# Altium PCB board_layout.pcbdoc (part 1 of 4) (continued)
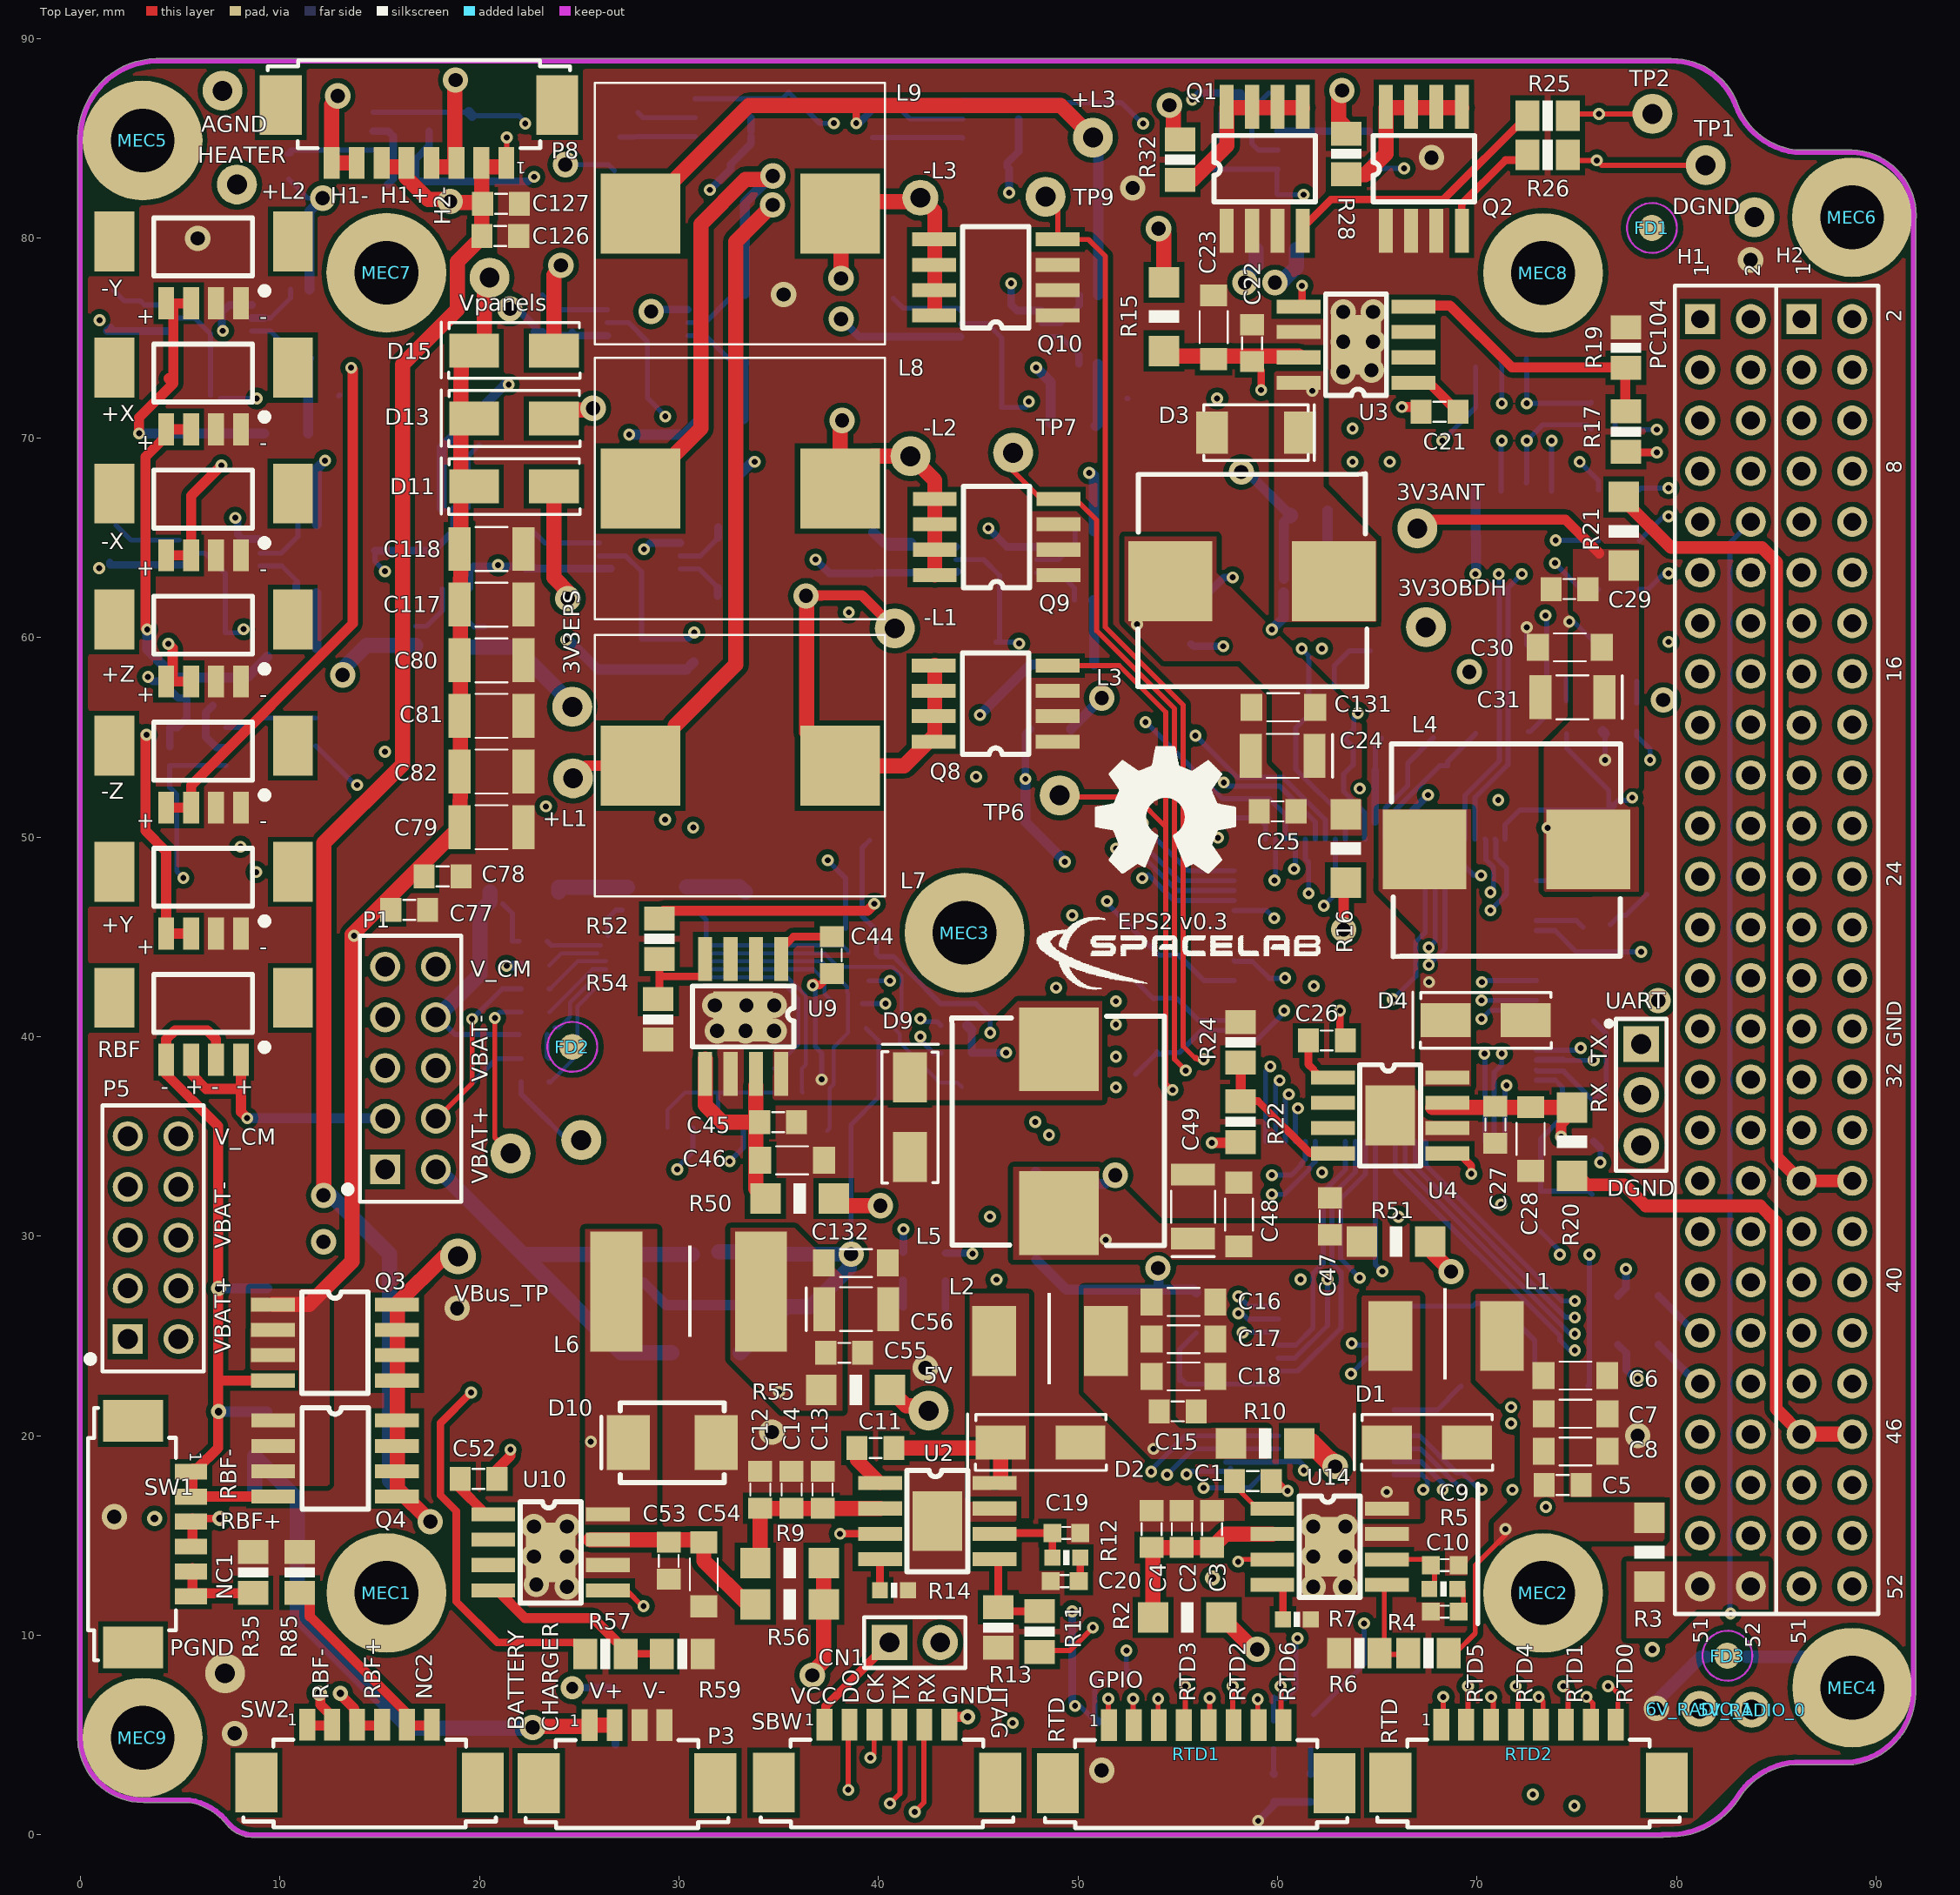
[diagram p0: Top Layer view]
## Part data (continued)
C3 C4 C13 C14 C102 C103 C104 C105 C106 C107 C130: library part Cap_Cer_X7R_4.7uF_25V_0805, "CAP CER 4.7uF 25V 10% X7R 0805", Capacitance=4.7uF, Case Code (Imperial)=0805, Case Code (Metric)=2012, Dielectric=X7R, Manufacturer=Yageo, Manufacturer Part Number=CC0805KKX7R8BB475, Max Operating Temperature=125°C, Min Operating Temperature=-55°C, Package Quantity=3000, Supplier Part Number 1=603-CC805KKX7R8BB475, Tolerance=10%, Voltage Rating=25V, Case/Package=0805, ComponentLink1Description=http://www.mouser.com/ds/2/447/Yageo_UPY-GP_NP0_16V-to-50V_9-358835.pdf?src-supplier=Mouser, ComponentLink1URL=http://www.mouser.com/ds/2/447/Yageo_UPY-GP_NP0_16V-to-50V_9-358835.pdf?src-supplier=Mouser, ComponentLink2Description=http://www.yageo.com/documents/recent/UPY-GPHC_X7R_6.3V-to-50V_18.pdf?src-supplier=Digi-Key, ComponentLink2URL=http://www.yageo.com/documents/recent/UPY-GPHC_X7R_6.3V-to-50V_18.pdf?src-supplier=Digi-Key, Halogen Free="Halogen Free", Lead Free="Lead Free", Length=0.079inch, Mount="Surface Mount", NCM=8532.24.10, Packaging="Tape and Reel", Partnumber=CC0805KKX7R8BB475, Pricing 1="1=0.43, 10=0.25, 100=0.139, 1000=0.126, 3000=0.089, 9000=0.086 (USD)", Pricing 2="1=0.47, 10=0.327, 50=0.2288, 100=0.1962, 500=0.14714, 1000=0.12425 (USD)", Stock 1=121, Stock 2=672, Supplier 1=Mouser, Supplier 2=Digi-Key, Supplier Part Number 2=311-1885-1-ND, Termination=SMD/SMT, Thickness=0.057inch, Voltage Rating (DC)=25V, Weight=0.000194oz, Width=0.049inch
C6 C7 C8 C16 C17 C18 C30 C48 C131 C132: library part Cap_Cer_X7R_22uF_10V_1206, "CAP CER 22uF 10V 10% X7R 1206", Capacitance=22uF, Case Code (Imperial)=1206, Case Code (Metric)=3216, Dielectric=X7R, Manufacturer=Murata, Manufacturer Part Number=GRM31CR71A226KE15L, Max Operating Temperature=125°C, Min Operating Temperature=-55°C, Package Quantity=1, Supplier Part Number 1=81-GRM31CR71A226K15L, Tolerance=10%, Voltage=10V, Case/Package=1206, ComponentLink1Description=http://components.arrow.com/part/dataview/46868660S8337524N2606?src-supplier=Arrow, ComponentLink1URL=http://components.arrow.com/part/dataview/46868660S8337524N2606?src-supplier=Arrow, ComponentLink2Description=http://uk.rs-online.com/webdocs/1423/0900766b81423c84.pdf?src-supplier=RSComponents, ComponentLink2URL=http://uk.rs-online.com/webdocs/1423/0900766b81423c84.pdf?src-supplier=RSComponents, ComponentLink3Description=https://www.murata.com/~/media/webrenewal/support/library/catalog/products/capacitor/mlcc/c02e.ashx?la=en-us&src-supplier=Digi-Key, ComponentLink3URL=https://www.murata.com/~/media/webrenewal/support/library/catalog/products/capacitor/mlcc/c02e.ashx?la=en-us&src-supplier=Digi-Key, ComponentLink4Description=http://www.farnell.com/datasheets/2048963.pdf?src-supplier=Farnell, ComponentLink4URL=http://www.farnell.com/datasheets/2048963.pdf?src-supplier=Farnell, ComponentLink5Description=http://www.farnell.com/datasheets/2048963.pdf?src-supplier=Element14, ComponentLink5URL=http://www.farnell.com/datasheets/2048963.pdf?src-supplier=Element14, ComponentLink6Description=http://psearch.en.murata.com/capacitor/product/GRM31CR71A226KE15%23.pdf?src-supplier=Avnet, ComponentLink6URL=http://psearch.en.murata.com/capacitor/product/GRM31CR71A226KE15%23.pdf?src-supplier=Avnet, ComponentLink7Description=http://psearch.murata.com/capacitor/product/GRM31CR71A226KE15%23.pdf?src-supplier=Avnet, ComponentLink7URL=http://psearch.murata.com/capacitor/product/GRM31CR71A226KE15%23.pdf?src-supplier=Avnet, ComponentLink8Description=https://www.distrelec.biz/Web/Downloads/_t/ds/murata_MLCC_eng_tds.pdf?mime=application%2Fpdf&src-supplier=Distrelec, ComponentLink8URL=https://www.distrelec.biz/Web/Downloads/_t/ds/murata_MLCC_eng_tds.pdf?mime=application%2Fpdf&src-supplier=Distrelec, ComponentLink9Description=http://psearch.murata.com/capacitor/product/GRM31CR71A226KE15%23.pdf?src-supplier=Future+Electronics, ComponentLink9URL=http://psearch.murata.com/capacitor/product/GRM31CR71A226KE15%23.pdf?src-supplier=Future+Electronics, ComponentLink10Description=http://www.produktinfo.conrad.com/datenblaetter/450000-474999/451412-da-01-de-VS_KONDENS_GRM31_CR71A_226KE15L.pdf?src-supplier=Conrad, ComponentLink10URL=http://www.produktinfo.conrad.com/datenblaetter/450000-474999/451412-da-01-de-VS_KONDENS_GRM31_CR71A_226KE15L.pdf?src-supplier=Conrad, ComponentLink11Description=http://www.produktinfo.conrad.com/datenblaetter/450000-474999/451120-da-01-de-VS_CHIP_KOND_1206_22_0_UF_10Pr_10_0V_X7R.pdf?src-supplier=Conrad, ComponentLink11URL=http://www.produktinfo.conrad.com/datenblaetter/450000-474999/451120-da-01-de-VS_CHIP_KOND_1206_22_0_UF_10Pr_10_0V_X7R.pdf?src-supplier=Conrad, Depth=1.6mm, Height=1.6mm, Lead Free="Lead Free", Length=3.2mm, Material=Ceramic, Mount="Surface Mount", NCM=8532.24.10, Packaging="Tape and Reel", Partnumber=GRM31CR71A226KE15L, Pricing 1="1=1.11, 10=0.921, 100=0.697, 250=0.677, 500=0.527, 1000=0.464 (USD)", Pricing 2="1=1.13, 10=0.889, 50=0.7702, 100=0.6666, 500=0.50362, 1000=0.44438 (USD)", Radiation Hardening=No, REACH SVHC="No SVHC", Stock 1=113879, Stock 2=339340, Supplier 1=Mouser, Supplier 2=Digi-Key, Supplier Part Number 2=490-5309-1-ND, Termination=SMD/SMT, Thickness=0.071inch, Voltage Rating=10V, Voltage Rating (DC)=10V, Width=0.063inch
C9 C19: library part Cap_Cer_C0G_13pF_50V_0603, "CAP CER 13PF 50V 0603 NP0", Capacitance=13pF, Case Code (Imperial)=0603, Case Code (Metric)=1608, Dielectric=C0G, Dielectric Material=Ceramic, Manufacturer=KEMET, Manufacturer Part Number=C0603C130J5GACTU, Max Operating Temperature=125°C, Min Operating Temperature=-55°C, Package Quantity=4000, Partnumber=C0603C130J5GAC7867, Supplier Part Number 1=80-C0603C130J5G, Tolerance=5%, Voltage Rating=50V, Case/Package=0603, ComponentLink1Description=http://www.farnell.com/datasheets/2740893.pdf?src-supplier=Element14, ComponentLink1URL=http://www.farnell.com/datasheets/2740893.pdf?src-supplier=Element14, ComponentLink2Description=http://www.mouser.com/ds/2/212/KEM_C1003_C0G_SMD-1101588.pdf?src-supplier=Mouser, ComponentLink2URL=http://www.mouser.com/ds/2/212/KEM_C1003_C0G_SMD-1101588.pdf?src-supplier=Mouser, Depth=0.8mm, Dissipation Factor=0.1%, Height=0.8mm, Lead Free="Lead Free", Lead Pitch=0.7mm, Length=1.6mm, Mount="Surface Mount", NCM=8532.24.10, Number of Pins=2, Packaging="Tape and Reel", Pricing 1="1=0.2, 10=0.081, 100=0.056, 500=0.044, 1000=0.038, 4000=0.031 (USD)", Pricing 2="1=0.2, 10=0.134, 100=0.0678, 500=0.04638, 1000=0.04104 (USD)", Radiation Hardening=No, REACH SVHC="No SVHC", Stock 1=7365, Stock 2=14291, Supplier 1=Mouser, Supplier 2=Digi-Key, Supplier Part Number 2=399-15362-1-ND, Termination=SMD/SMT, Thickness=0.034inch, Voltage Rating (DC)=50V, Width=0.031inch
C10 C20: library part Cap_Cer_C0G_5.6nF_100V_0603, "CAP CER 5.6nF 100V 0603", Manufacturer=TDK, Manufacturer Part Number=C1608C0G2A562J080AE, Supplier Part Number 1=810-C1608C0G2A562J08, ComponentLink1Description=https://product.tdk.com/info/en/catalog/datasheets/mlcc_commercial_soft_en.pdf?src-supplier=Digi-Key, ComponentLink1URL=https://product.tdk.com/info/en/catalog/datasheets/mlcc_commercial_soft_en.pdf?src-supplier=Digi-Key, NCM=8532.24.10, Partnumber=C1608C0G2A562J080AE, Pricing 1="1=0.3, 10=0.142, 100=0.095, 500=0.084, 1000=0.078, 4000=0.056 (USD)", Pricing 2="1=0.32, 10=0.218, 50=0.1456, 100=0.1237, 500=0.08732, 1000=0.0764 (USD)", Stock 1=5883, Stock 2=7070, Supplier 1=Mouser, Supplier 2=Digi-Key, Supplier Part Number 2=445-180278-1-ND
C21 C26 C32 C34 C44 C52: library part Cap_Cer_X7R_0.01uF_50V_0805, "CAP CER 0.01uF 50V 10% X7R 0805", Capacitance=10nF, Case Code (Imperial)=0805, Case Code (Metric)=2012, Dielectric=X7R, Manufacturer="Kyocera AVX", Manufacturer Part Number=08055C103KAT4A, Max Operating Temperature=125°C, Min Operating Temperature=-55°C, Supplier Part Number 1=581-08055C103KAT4A, Tolerance=10%, Voltage=50V, Case/Package=0805, ComponentLink1Description=http://www.mouser.com/ds/2/40/X7RDielectric-777024.pdf?src-supplier=Mouser, ComponentLink1URL=http://www.mouser.com/ds/2/40/X7RDielectric-777024.pdf?src-supplier=Mouser, ComponentLink2Description=http://www.avx.com/docs/Catalogs/cx7r.pdf?src-supplier=Future+Electronics, ComponentLink2URL=http://www.avx.com/docs/Catalogs/cx7r.pdf?src-supplier=Future+Electronics, Depth=1.25mm, Height=0.94mm, Lead Free="Lead Free", Length=2.01mm, Mount="Surface Mount", NCM=8532.24.10, Number of Pins=2, Packaging="Tape and Reel", Partnumber=08055C103KAT4A, Pricing 1="1=0.12, 10=0.085, 100=0.04, 500=0.028, 1000=0.023, 2500=0.018 (USD)", Pricing 2="1=0.13, 10=0.09, 50=0.0508, 100=0.0421, 500=0.02952, 1000=0.02444, 2500=0.02275, 5000=0.02081 (USD)", Radiation Hardening=No, Stock 1=88198, Stock 2=515319, Supplier 1=Mouser, Supplier 2=Digi-Key, Supplier Part Number 2=478-10687-1-ND, Termination=SMD/SMT, Voltage Rating=50V, Voltage Rating (DC)=50V, Weight=0.000194oz, Width=1.25mm
C23 C28 C46 C54: library part Cap_Cer_X7R_10uF_25V_1206, "CAP CER 10uF 25V 10% X7R 1206", Capacitance=10uF, Case Code (Imperial)=1206, Case Code (Metric)=3216, Dielectric=X7R, Manufacturer=Murata, Manufacturer Part Number=GRM31CR71E106KA12L, Max Operating Temperature=125°C, Min Operating Temperature=-55°C, Package Quantity=1, Supplier Part Number 1=81-GRM31CR71E106KA12, Tolerance=10%, Voltage=25V, Case/Package=1206, ComponentLink1Description=http://www.mouser.com/ds/2/281/c02e-2905.pdf?src-supplier=Mouser, ComponentLink1URL=http://www.mouser.com/ds/2/281/c02e-2905.pdf?src-supplier=Mouser, ComponentLink2Description=http://www.farnell.com/datasheets/415311.pdf?src-supplier=Element14, ComponentLink2URL=http://www.farnell.com/datasheets/415311.pdf?src-supplier=Element14, ComponentLink3Description=http://www.farnell.com/datasheets/2048746.pdf?src-supplier=Element14, ComponentLink3URL=http://www.farnell.com/datasheets/2048746.pdf?src-supplier=Element14, ComponentLink4Description=http://uk.rs-online.com/webdocs/13d2/0900766b813d2ca8.pdf?src-supplier=RSComponents, ComponentLink4URL=http://uk.rs-online.com/webdocs/13d2/0900766b813d2ca8.pdf?src-supplier=RSComponents, ComponentLink5Description=http://search.murata.co.jp/Ceramy/image/img/A01X/partnumbering_e_01.pdf?src-supplier=Future+Electronics, ComponentLink5URL=http://search.murata.co.jp/Ceramy/image/img/A01X/partnumbering_e_01.pdf?src-supplier=Future+Electronics, ComponentLink6Description=https://www.distrelec.biz/Web/Downloads/_t/ds/murata_MLCC_eng_tds.pdf?mime=application%2Fpdf&src-supplier=Distrelec, ComponentLink6URL=https://www.distrelec.biz/Web/Downloads/_t/ds/murata_MLCC_eng_tds.pdf?mime=application%2Fpdf&src-supplier=Distrelec, ComponentLink7Description=https://www.murata.com/~/media/webrenewal/support/library/catalog/products/capacitor/mlcc/c02e.ashx?la=en-us&src-supplier=Digi-Key, ComponentLink7URL=https://www.murata.com/~/media/webrenewal/support/library/catalog/products/capacitor/mlcc/c02e.ashx?la=en-us&src-supplier=Digi-Key, ComponentLink8Description=http://components.arrow.com/part/dataview/46271255S8319800N2606?src-supplier=Arrow, ComponentLink8URL=http://components.arrow.com/part/dataview/46271255S8319800N2606?src-supplier=Arrow, ComponentLink9Description=http://www.farnell.com/datasheets/415311.pdf?src-supplier=Farnell, ComponentLink9URL=http://www.farnell.com/datasheets/415311.pdf?src-supplier=Farnell, ComponentLink10Description=http://www.produktinfo.conrad.com/datenblaetter/450000-474999/454935-da-01-en-VS_KONDENSATOR_1206.pdf?src-supplier=Conrad, ComponentLink10URL=http://www.produktinfo.conrad.com/datenblaetter/450000-474999/454935-da-01-en-VS_KONDENSATOR_1206.pdf?src-supplier=Conrad, ComponentLink11Description=http://www.produktinfo.conrad.com/datenblaetter/450000-474999/451104-da-01-de-VS_CHIP_KOND_1206_10_0_UF_10Pr_25_0V_X7R.pdf?src-supplier=Conrad, ComponentLink11URL=http://www.produktinfo.conrad.com/datenblaetter/450000-474999/451104-da-01-de-VS_CHIP_KOND_1206_10_0_UF_10Pr_25_0V_X7R.pdf?src-supplier=Conrad, Depth=1.6mm, Height=1.6mm, Lead Free="Lead Free", Length=3.2mm, Material=Ceramic, Mount="Surface Mount", NCM=8532.24.10, Number of Pins=2, Packaging="Tape and Reel", Partnumber=GRM31CR71E106KA12L, Pricing 1="1=0.83, 10=0.627, 100=0.448, 250=0.434, 500=0.347, 1000=0.299 (USD)", Pricing 2="1=0.88, 10=0.646, 50=0.517, 100=0.4431, 500=0.35082, 1000=0.29543 (USD)", Radiation Hardening=No, REACH SVHC="No SVHC", Stock 1=131052, Stock 2=1515422, Supplier 1=Mouser, Supplier 2=Digi-Key, Supplier Part Number 2=490-6518-1-ND, Termination=SMD/SMT, Thickness=0.071inch, Voltage Rating=25V, Voltage Rating (DC)=25V, Width=1.6mm
C24 C31 C49 C56: library part Cap_Tant_SMD_220uF_6.3V_1210, "CAP Tantalum 220uF 6.3V 20% 1210", Capacitance=220uF, Case Code (Imperial)=1411, Case Code (Metric)=3528, Case/Package=Molded, ESR (Equivalent Series Resistance)=35mR, Leakage Current=138.6uA, Manufacturer=Panasonic, Manufacturer Part Number=6TPE220MAZB, Max Operating Temperature=105°C, Min Operating Temperature=-55°C, Package Quantity=2000, Ripple Current=1.4A, Supplier Part Number 1=667-6TPE220MAZB, Tolerance=20%, Voltage=6.3V, ComponentLink1Description=http://www.farnell.com/datasheets/2059638.pdf?src-supplier=Element14, ComponentLink1URL=http://www.farnell.com/datasheets/2059638.pdf?src-supplier=Element14, ComponentLink2Description=https://www.verical.com/server-webapp/html/getDatasheet?partID=733772&src-supplier=Verical, ComponentLink2URL=https://www.verical.com/server-webapp/html/getDatasheet?partID=733772&src-supplier=Verical, ComponentLink3Description=https://www.distrelec.biz/Web/Downloads/_t/ds/tpe-series_eng_tds.pdf?mime=application%2Fpdf&src-supplier=Distrelec, ComponentLink3URL=https://www.distrelec.biz/Web/Downloads/_t/ds/tpe-series_eng_tds.pdf?mime=application%2Fpdf&src-supplier=Distrelec, ComponentLink4Description=http://industrial.panasonic.com/www-data/pdf/AAA8000/AAA8000CE5.pdf?src-supplier=Avnet, ComponentLink4URL=http://industrial.panasonic.com/www-data/pdf/AAA8000/AAA8000CE5.pdf?src-supplier=Avnet, ComponentLink5Description=http://www.mouser.com/ds/2/315/AAA8000C36-947358.pdf?src-supplier=Mouser, ComponentLink5URL=http://www.mouser.com/ds/2/315/AAA8000C36-947358.pdf?src-supplier=Mouser, Depth=2.8mm, Dissipation Factor=10%, Features="General Purpose", Height=1.9mm, Height - Seated (Max)=0.079inch, Lead Free="Lead Free", Length=3.5mm, Mount="Surface Mount", NCM=8532.21.11, Number of Pins=2, Packaging="Tape and Reel", Partnumber=6TPE220MAZB, Polarity=Polar, Pricing 1="1=1.63, 10=1.28, 100=0.964, 500=0.728, 1000=0.642, 2000=0.521 (USD)", Pricing 2="1=1.56, 10=1.23, 50=1.0656, 100=0.9222, 500=0.69676, 1000=0.61479 (USD)", Radiation Hardening=No, REACH SVHC="No SVHC", Stock 1=11237, Stock 2=59078, Supplier 1=Mouser, Supplier 2=Digi-Key, Supplier Part Number 2=P16245CT-ND, Termination=SMD/SMT, Voltage Rating=6.3V, Voltage Rating (DC)=6.3V, Width=0.11inch
C33 C35 C60 C61 C64 C123 C125: library part Cap_Tant_SMD_10uF_6V3_0805, "CAP Tantalum 10uF 6.3V 10% 0805", Capacitance=10uF, Case Code (Imperial)=0805, Case Code (Metric)=2012, Dielectric Material=Tantalum, ESR (Equivalent Series Resistance)=1R, Manufacturer="Kyocera AVX", Manufacturer Part Number=TPSR106K006R1000, Max Operating Temperature=125°C, Min Operating Temperature=-55°C, Package Quantity=1, Supplier Part Number 1=581-TPSR106K006R1000, Tolerance=10%, Voltage Rating=6.3V, Case/Package=0805, ComponentLink1Description=http://www.avx.com/docs/Catalogs/packmark.pdf?src-supplier=Element14, ComponentLink1URL=http://www.avx.com/docs/Catalogs/packmark.pdf?src-supplier=Element14, ComponentLink2Description=http://www.farnell.com/datasheets/1441576.pdf?src-supplier=Element14, ComponentLink2URL=http://www.farnell.com/datasheets/1441576.pdf?src-supplier=Element14, ComponentLink3Description=http://datasheets.avx.com/TPS.pdf?src-supplier=Digi-Key, ComponentLink3URL=http://datasheets.avx.com/TPS.pdf?src-supplier=Digi-Key, Depth=1.3mm, Dissipation Factor=8%, Features="General Purpose", Height=1.2mm, Height - Seated (Max)=0.047inch, Lead Free="Lead Free", Length=2.05mm, Mount="Surface Mount", NCM=8532.21.11, Packaging="Tape and Reel", Partnumber=TPSR106K006R1000, Polarity=Polar, Pricing 1="1=0.76, 10=0.561, 100=0.384, 500=0.304, 1000=0.256, 2500=0.237 (USD)", Pricing 2="1=0.73, 10=0.536, 50=0.429, 100=0.3678, 500=0.29114, 1000=0.24517 (USD)", Radiation Hardening=No, REACH SVHC="No SVHC", Stock 1=0, Stock 2=0, Supplier 1=Mouser, Supplier 2=Digi-Key, Supplier Part Number 2=478-9265-1-ND, Termination=SMD/SMT, Width=0.051inch
C36 C50 C51 C79 C80 C81 C82 C117 C118: library part Cap_Cer_X7R_22uF_25V_1210, "CAP CER 22uF 25V 10% X7R 1210", Capacitance=22uF, Case Code (Imperial)=1210, Case Code (Metric)=3225, Dielectric=X7R, Manufacturer=Murata, Manufacturer Part Number=GRM32ER71E226KE15L, Max Operating Temperature=125°C, Min Operating Temperature=-55°C, Package Quantity=1, Supplier Part Number 1=81-GRM32ER71E226KE5L, Tolerance=10%, Voltage=25V, Case/Package=1210, ComponentLink1Description=http://www.farnell.com/datasheets/2048964.pdf?src-supplier=Farnell, ComponentLink1URL=http://www.farnell.com/datasheets/2048964.pdf?src-supplier=Farnell, ComponentLink2Description=http://psearch.murata.com/capacitor/product/GRM32ER71E226KE15%23.pdf?src-supplier=Future+Electronics, ComponentLink2URL=http://psearch.murata.com/capacitor/product/GRM32ER71E226KE15%23.pdf?src-supplier=Future+Electronics, ComponentLink3Description=https://www.murata.com/~/media/webrenewal/support/library/catalog/products/capacitor/mlcc/c02e.ashx?la=en-us&src-supplier=Digi-Key, ComponentLink3URL=https://www.murata.com/~/media/webrenewal/support/library/catalog/products/capacitor/mlcc/c02e.ashx?la=en-us&src-supplier=Digi-Key, ComponentLink4Description=http://components.arrow.com/part/dataview/47905228S8888111N2606?src-supplier=Arrow, ComponentLink4URL=http://components.arrow.com/part/dataview/47905228S8888111N2606?src-supplier=Arrow, ComponentLink5Description=http://www.farnell.com/datasheets/2048964.pdf?src-supplier=Element14, ComponentLink5URL=http://www.farnell.com/datasheets/2048964.pdf?src-supplier=Element14, ComponentLink6Description=http://uk.rs-online.com/webdocs/13d2/0900766b813d2caa.pdf?src-supplier=RSComponents, ComponentLink6URL=http://uk.rs-online.com/webdocs/13d2/0900766b813d2caa.pdf?src-supplier=RSComponents, ComponentLink7Description=https://produktinfo.conrad.com/datenblaetter/450000-474999/451826-da-01-de-VS_KONDENS_GRM32_ER71E_226KE15L.pdf?src-supplier=Conrad, ComponentLink7URL=https://produktinfo.conrad.com/datenblaetter/450000-474999/451826-da-01-de-VS_KONDENS_GRM32_ER71E_226KE15L.pdf?src-supplier=Conrad, Depth=2.5mm, Height=2.5mm, Lead Free="Lead Free", Length=3.2mm, Material=Ceramic, Mount="Surface Mount", Number of Pins=2, Packaging="Tape and Reel", Partnumber=GRM32ER71E226KE15L, Pricing 1="1=1.96, 10=1.54, 25=1.54, 100=1.15, 250=1.15, 500=0.876 (USD)", Pricing 2="1=1.87, 10=1.479, 50=1.2816, 100=1.1091, 500=0.83802 (USD)", Radiation Hardening=No, REACH SVHC="No SVHC", Stock 1=169862, Stock 2=0, Supplier 1=Mouser, Supplier 2=Digi-Key, Supplier Part Number 2=490-5313-1-ND, Termination=SMD/SMT, Thickness=0.106inch, Voltage Rating=25V, Voltage Rating (DC)=25V, Width=0.098inch
C37 C38: library part Cap_Cer_X7R_1000pF_50V_0603, "CAP CER 1000pF 50V 10% X7R 0603", Capacitance=1nF, Case Code (Imperial)=0603, Case Code (Metric)=1608, Dielectric=X7R, Insulation Resistance=100GR, Manufacturer=Yageo, Manufacturer Part Number=CC0603KRX7R9BB102, Max Operating Temperature=125°C, Min Operating Temperature=-55°C, Package Quantity=1, Supplier Part Number 1=603-CC603KRX7R9BB102, Tolerance=10%, Voltage=50V, Case/Package=0603, ComponentLink1Description=http://www.yageo.com/documents/recent/UPY-GPHC_X7R_6.3V-to-50V_18.pdf?src-supplier=Digi-Key, ComponentLink1URL=http://www.yageo.com/documents/recent/UPY-GPHC_X7R_6.3V-to-50V_18.pdf?src-supplier=Digi-Key, ComponentLink2Description=http://www.yageo.com/documents/recent/UPY-GPHC_X7R_6.3V-to-50V_8.pdf?src-supplier=Avnet+Europe, ComponentLink2URL=http://www.yageo.com/documents/recent/UPY-GPHC_X7R_6.3V-to-50V_8.pdf?src-supplier=Avnet+Europe, ComponentLink3Description=https://www.verical.com/server-webapp/html/getDatasheet?partID=251790&src-supplier=Verical, ComponentLink3URL=https://www.verical.com/server-webapp/html/getDatasheet?partID=251790&src-supplier=Verical, ComponentLink4Description=http://www.farnell.com/datasheets/2167236.pdf?src-supplier=Element14, ComponentLink4URL=http://www.farnell.com/datasheets/2167236.pdf?src-supplier=Element14, ComponentLink5Description=https://produktinfo.conrad.com/datenblaetter/425000-449999/445532-da-01-en-KERKO_CHIP_0603_NP0_1000PF.pdf?src-supplier=Conrad, ComponentLink5URL=https://produktinfo.conrad.com/datenblaetter/425000-449999/445532-da-01-en-KERKO_CHIP_0603_NP0_1000PF.pdf?src-supplier=Conrad, Composition=Ceramic, Depth=0.8mm, Halogen Free="Halogen Free", Height=0.8mm, Lead Free="Lead Free", Length=1.6mm, Material=Ceramic, Mount="Surface Mount", NCM=8532.24.10, Number of Pins=2, Packaging="Tape and Reel", Partnumber=CC0603KRX7R9BB102, Pricing 1="1=0.1, 10=0.039, 100=0.018, 1000=0.014, 4000=0.01, 8000=0.008 (USD)", Pricing 2="1=0.1, 10=0.042, 50=0.0232, 100=0.0189, 500=0.01352, 1000=0.01062 (USD)", Radiation Hardening=No, REACH SVHC="No SVHC", Stock 1=411776, Stock 2=2512329, Supplier 1=Mouser, Supplier 2=Digi-Key, Supplier Part Number 2=311-1080-1-ND, Termination=SMD/SMT, Thickness=0.035inch, Voltage Rating=50V, Voltage Rating (DC)=50V, Width=0.031inch
C39 C65: library part Cap_Cer_X7R_0.47uF_50V_0603, "CAP CER 0.47UF 50V 10% X7R 0603", Capacitance=470nF, Case Code (Imperial)=0603, Case Code (Metric)=1608, Dielectric=X7R, Manufacturer=TDK, Manufacturer Part Number=C1608X7R1H474K080AE, Max Operating Temperature=125°C, Min Operating Temperature=-55°C, Package Quantity=4000, Supplier Part Number 1=810-C1608X7R1H474K0E, Tolerance=10%, Voltage Rating=50V, Case/Package=0603, ComponentLink1Description=http://www.mouser.com/ds/2/400/tdk_mlcc_commercial_general_en-542463.pdf?src-supplier=Mouser, ComponentLink1URL=http://www.mouser.com/ds/2/400/tdk_mlcc_commercial_general_en-542463.pdf?src-supplier=Mouser, ComponentLink2Description=https://product.tdk.com/info/en/catalog/datasheets/mlcc_commercial_soft_en.pdf?src-supplier=Digi-Key, ComponentLink2URL=https://product.tdk.com/info/en/catalog/datasheets/mlcc_commercial_soft_en.pdf?src-supplier=Digi-Key, ComponentLink3Description=https://product.tdk.com/info/en/catalog/spec/mlccspec_commercial_soft_en.pdf?src-supplier=Digi-Key, ComponentLink3URL=https://product.tdk.com/info/en/catalog/spec/mlccspec_commercial_soft_en.pdf?src-supplier=Digi-Key, Features="Soft Termination", Height=0.8mm, Lead Free="Lead Free", Length=0.063inch, Mount="Surface Mount", NCM=8532.24.10, Packaging="Tape and Reel", Partnumber=C1608X7R1H474K080AE, Pricing 1="1=0.35, 10=0.24, 100=0.144, 500=0.108, 1000=0.091, 4000=0.077 (USD)", Pricing 2="1=0.33, 10=0.23, 50=0.161, 100=0.1379, 500=0.10346, 1000=0.08736 (USD)", Stock 1=82530, Stock 2=9176, Supplier 1=Mouser, Supplier 2=Digi-Key, Supplier Part Number 2=445-172485-1-ND, Termination=SMD/SMT, Thickness=0.037inch, Voltage Rating (DC)=50V, Weight=7.1E-05oz, Width=0.8mm
C40 C41 C58 C59 C63 C71 C72 C73 C74 C75 C76 C83 C84 C85 C86 C87 C88 C89 C90 C91 C93 C94 C97 C98 C99 C100 C101 C108 C109 C110 C111 C112 C113 C114 C115 C116 C119 C120 C121 C122 C124 C128 C129 C133: library part Cap_Cer_X7R_0.1uF_50V_0603, "CAP CER 0.1UF 50V 10% X7R 0603", Capacitance=100nF, Case Code (Imperial)=0603, Case Code (Metric)=1608, Dielectric=X7R, Manufacturer=Yageo, Manufacturer Part Number=CC0603KPX7R9BB104, Max Operating Temperature=125°C, Min Operating Temperature=-55°C, Supplier Part Number 1=603-CC603KPX7R9BB104, Tolerance=10%, Voltage Rating=50V, Case/Package=0603, ComponentLink1Description=https://www.verical.com/server-webapp/html/getDatasheet?partID=653026&src-supplier=Verical, ComponentLink1URL=https://www.verical.com/server-webapp/html/getDatasheet?partID=653026&src-supplier=Verical, Composition=Ceramic, Depth=0.8mm, Halogen Free="Halogen Free", Height=0.8mm, Lead Free="Lead Free", Length=1.6mm, Mount="Surface Mount", Number of Pins=2, Packaging="Tape and Reel", Partnumber=CC0603KPX7R9BB104, Pricing 1="1=0.1, 10=0.065, 100=0.02, 1000=0.016, 2500=0.013, 10000=0.01 (USD)", Pricing 2="1=0.1, 10=0.066, 50=0.036, 100=0.0293, 500=0.02094, 1000=0.01646, 2500=0.01496, 5000=0.01376 (USD)", Radiation Hardening=No, Stock 1=5712768, Stock 2=0, Supplier 1=Mouser, Supplier 2=Digi-Key, Supplier Part Number 2=311-3567-1-ND, Termination=SMD/SMT, Thickness=0.035inch, Voltage Rating (DC)=50V, Weight=7.1E-05oz, Width=0.031inch
C57: library part Cap_Cer_X7R_1nF_16V_0603, "CAP CER 1nF 16V 0603 5%", Capacitance=1nF, Case Code (Imperial)=0603, Case Code (Metric)=1608, Manufacturer=KEMET, Manufacturer Part Number=C0603X102J4RECAUTO, Max Operating Temperature=125°C, Min Operating Temperature=-55°C, Ratings=AEC-Q200, Supplier Part Number 1=80-C0603X102J4RECAUT, Tolerance=5%, Voltage Rating=16V, Case/Package=0603, ComponentLink1Description=http://www.farnell.com/datasheets/2743686.pdf?src-supplier=Farnell, ComponentLink1URL=http://www.farnell.com/datasheets/2743686.pdf?src-supplier=Farnell, ComponentLink2Description=https://api.kemet.com/component-edge/download/datasheet/C0603X102J4RECAUTO.pdf?src-supplier=Digi-Key, ComponentLink2URL=https://api.kemet.com/component-edge/download/datasheet/C0603X102J4RECAUTO.pdf?src-supplier=Digi-Key, ComponentLink3Description=http://www.farnell.com/datasheets/2743686.pdf?src-supplier=Newark, ComponentLink3URL=http://www.farnell.com/datasheets/2743686.pdf?src-supplier=Newark, Features="Soft Termination", Mount="Surface Mount", NCM=8532.24.10, Packaging="Tape and Reel", Partnumber=C0603X102J4RECAUTO, Pricing 1="1=0.24, 10=0.161, 100=0.081, 500=0.055, 1000=0.049, 4000=0.037 (USD)", Pricing 2="1=0.23, 10=0.154, 50=0.0926, 100=0.0781, 500=0.05346, 1000=0.04729 (USD)", Stock 1=4509, Stock 2=7106, Supplier 1=Mouser, Supplier 2=Digi-Key, Supplier Part Number 2=399-17840-1-ND
C66: library part Cap_Cer_X7R_0.01uF_25V_0603, "CAP CER 0.01UF 25V 5% X7R 0603", Capacitance=10nF, Case Code (Imperial)=0603, Case Code (Metric)=1608, Dielectric=X7R, Manufacturer="Kyocera AVX", Manufacturer Part Number=06033C103JAT4A, Max Operating Temperature=125°C, Min Operating Temperature=-55°C, Package Quantity=15000, Supplier Part Number 1=581-06033C103JAT4A, Tolerance=5%, Voltage Rating=25V, Case/Package=0603, ComponentLink1Description=http://datasheets.avx.com/X7RDielectric.pdf?src-supplier=Digi-Key, ComponentLink1URL=http://datasheets.avx.com/X7RDielectric.pdf?src-supplier=Digi-Key, ComponentLink2Description=http://www.mouser.com/ds/2/40/X7RDielectric-777024.pdf?src-supplier=Mouser, ComponentLink2URL=http://www.mouser.com/ds/2/40/X7RDielectric-777024.pdf?src-supplier=Mouser, Depth=0.81mm, Length=1.6mm, Mount="Surface Mount", NCM=8532.24.10, Number of Pins=2, Packaging="Tape and Reel", Partnumber=06033C103JAT4A, Pricing 1="1=0.11, 10=0.078, 100=0.034, 500=0.033, 1000=0.033, 2500=0.033 (USD)", Pricing 2="1=0.1, 10=0.075, 50=0.0406, 100=0.0332, 500=0.02372, 1000=0.01863, 2500=0.01694, 5000=0.01558 (USD)", Radiation Hardening=No, Stock 1=13176, Stock 2=28613, Supplier 1=Mouser, Supplier 2=Digi-Key, Supplier Part Number 2=478-12681-1-ND, Termination=SMD/SMT, Thickness=0.035inch, Voltage Rating (DC)=25V, Width=0.032inch
C67 C69: library part Cap_Cer_X7R_12pF_50V_0603, "CAP CER 12pF 50V 0603", Capacitance=12pF, Case Code (Imperial)=0603, Case Code (Metric)=1608, Dielectric=C0G, Manufacturer=Murata, Manufacturer Part Number=GQM1885C1H120GB01D, Max Operating Temperature=125°C, Min Operating Temperature=-55°C, Package Quantity=4000, Supplier Part Number 1=81-GQM1885C1H120GB01, Tolerance=2%, Voltage Rating=50V, Case/Package=0603, ComponentLink1Description=http://psearch.murata.com/capacitor/product/GQM1885C1H120GB01%23.pdf?src-supplier=Avnet, ComponentLink1URL=http://psearch.murata.com/capacitor/product/GQM1885C1H120GB01%23.pdf?src-supplier=Avnet, ComponentLink2Description=http://search.murata.co.jp/Ceramy/image/img/A01X/partnumbering_e_01.pdf?src-supplier=Digi-Key, ComponentLink2URL=http://search.murata.co.jp/Ceramy/image/img/A01X/partnumbering_e_01.pdf?src-supplier=Digi-Key, Depth=0.8mm, Height=0.8mm, Length=1.6mm, Mount="Surface Mount", NCM=8532.24.10, Packaging="Tape and Reel", Partnumber=GQM1885C1H120GB01D, Pricing 1="1=0.92, 10=0.703, 100=0.502, 250=0.475, 500=0.389, 1000=0.335 (USD)", Pricing 2="1=0.8, 10=0.611, 50=0.5078, 100=0.4373, 500=0.33858 (USD)", Radiation Hardening=No, Stock 1=3119, Stock 2=550, Supplier 1=Mouser, Supplier 2=Digi-Key, Supplier Part Number 2=490-11261-1-ND, Termination=SMD/SMT, Thickness=0.035inch, Voltage Rating (DC)=50V, Width=0.031inch
C68 C70: library part Cap_Cer_X7R_10pF_100V_0805, "CAP CER 10pF 100V 0805", Capacitance=10pF, Case Code (Imperial)=0805, Case Code (Metric)=2012, Dielectric=C0G, Manufacturer="Kyocera AVX", Manufacturer Part Number=08051A100FAT2A, Max Operating Temperature=125°C, Min Operating Temperature=-55°C, Package Quantity=4000, Supplier Part Number 1=581-08051A100FAT2A, Tolerance=1%, Voltage Rating=100V, Case/Package=0805, ComponentLink1Description=http://www.mouser.com/ds/2/40/C0GNP0-Dielectric-951274.pdf?src-supplier=Mouser, ComponentLink1URL=http://www.mouser.com/ds/2/40/C0GNP0-Dielectric-951274.pdf?src-supplier=Mouser, ComponentLink2Description=http://www.farnell.com/datasheets/1796416.pdf?src-supplier=Element14, ComponentLink2URL=http://www.farnell.com/datasheets/1796416.pdf?src-supplier=Element14, ComponentLink3Description=http://datasheets.avx.com/C0GNP0-Dielectric.pdf?src-supplier=Digi-Key, ComponentLink3URL=http://datasheets.avx.com/C0GNP0-Dielectric.pdf?src-supplier=Digi-Key, ComponentLink4Description=http://catalogs.avx.com/SurfaceMount.pdf?src-supplier=Digi-Key, ComponentLink4URL=http://catalogs.avx.com/SurfaceMount.pdf?src-supplier=Digi-Key, ComponentLink5Description=http://www.avxcorp.com/docs/Catalogs/ccog.pdf?src-supplier=Avnet+Europe, ComponentLink5URL=http://www.avxcorp.com/docs/Catalogs/ccog.pdf?src-supplier=Avnet+Europe, Contact Plating=Tin,Matte, Depth=1.25mm, Dissipation Factor=10%, Height=0.94mm, Lead Free="Lead Free", Length=2.01mm, Mount="Surface Mount", NCM=8532.24.10, Number of Pins=2, Packaging="Tape and Reel", Partnumber=08051A100FAT2A, Pricing 1="1=0.39, 10=0.274, 100=0.164, 500=0.123, 1000=0.104, 2000=0.097 (USD)", Pricing 2="1=0.49, 10=0.347, 50=0.2626, 100=0.2287, 500=0.1694, 1000=0.14399 (USD)", Radiation Hardening=No, REACH SVHC="No SVHC", Stock 1=12105, Stock 2=18206, Supplier 1=Mouser, Supplier 2=Digi-Key, Supplier Part Number 2=478-5779-1-ND, Termination=SMD/SMT, Thickness=0.037inch, Voltage Rating (DC)=100V, Width=1.25mm
CN1: "Connector Header Through Hole 2 position 0.100\" (2.54mm)", LatestRevisionDate=17-Jul-2002, LatestRevisionNote="Re-released for DXP Platform.", Partnumber=826646-2, Publisher="Altium Limited"